# Altium PCB 宠物机器人&导购机器人.PcbDoc (part 4 of 14)
Units mil, origin at the board's own origin, x right, y up, seen from the top; angles counter-clockwise.
Board outline 6899.61 x 2204.72 mil, 2 copper layers (Top Layer, Bottom Layer); 229 components, 218 nets, 23463 pads, 263 vias.
Unrouted connection lines stored in the file: 107.
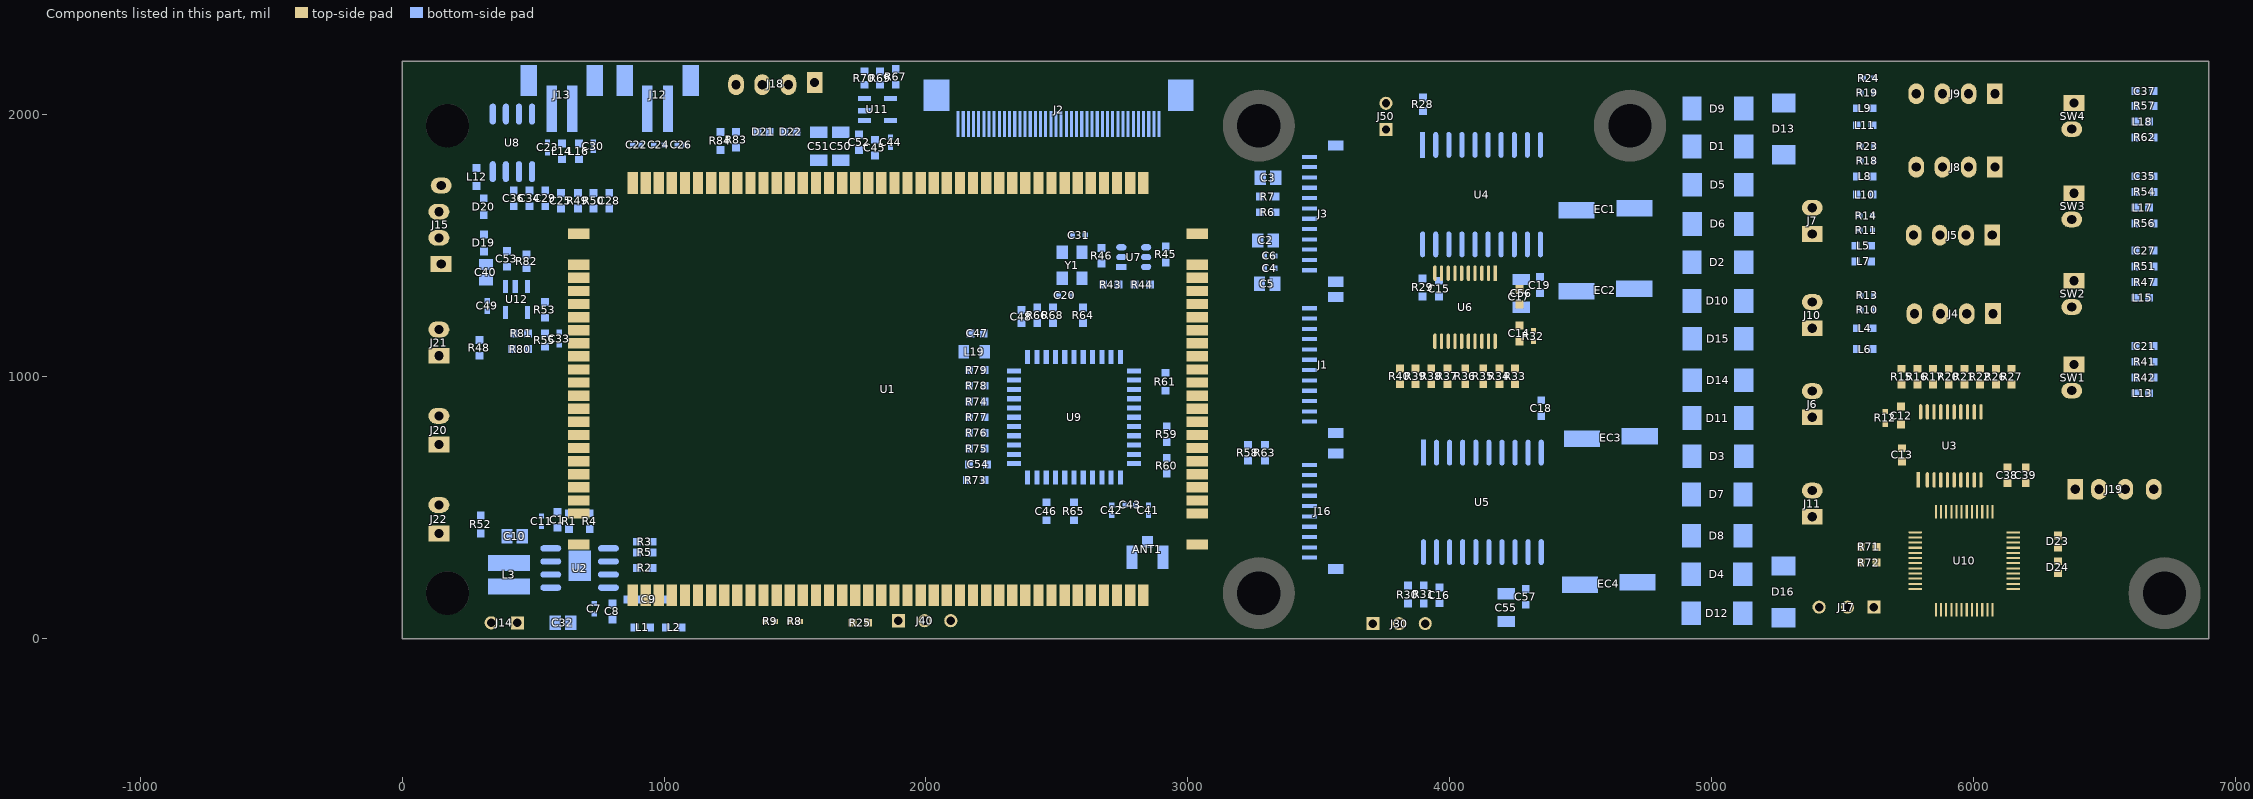
[diagram p4: the components of this part, seen from the top]

## Free pads (board coordinates) (continued)
  round 0.02 on Mech3: 1(-1218.4,-383.24) 1(-1218.4,-383.24) 1(-1218.4,-383.24) 1(-1218.4,-383.15) 1(-1218.4,-383.15) 1(-1218.4,-383.15) 1(-1218.39,-383.7) 1(-1218.39,-383.7) 1(-1218.39,-383.7) 1(-1218.38,-384.88) 1(-1218.38,-384.88) 1(-1218.38,-384.88) 1(-1218.38,-384.83) 1(-1218.38,-384.83) 1(-1218.38,-384.83) 1(-1218.38,-384.83) 1(-1218.38,-384.83) 1(-1218.38,-384.83) 1(-1218.38,-383.74) 1(-1218.38,-383.74) 1(-1218.38,-383.74) 1(-1218.38,-383.74) 1(-1218.38,-383.74) 1(-1218.38,-383.74) 1(-1218.38,-385.02) 1(-1218.38,-385.02) 1(-1218.38,-385.02) 1(-1218.35,-383.64) 1(-1218.35,-383.64) 1(-1218.35,-383.64) 1(-1218.35,-384.1) 1(-1218.35,-384.1) 1(-1218.35,-384.1) 1(-1218.35,-384.1) 1(-1218.35,-384.1) 1(-1218.35,-384.1) 1(-1218.35,-383.75) 1(-1218.35,-383.75) 1(-1218.35,-383.75) 1(-1218.35,-383.75) 1(-1218.35,-383.75) 1(-1218.35,-383.75) 1(-1218.35,-383.34) 1(-1218.35,-383.34) 1(-1218.35,-383.34) 1(-1218.34,-384.69) 1(-1218.34,-384.69) 1(-1218.34,-384.69) 1(-1218.34,-384.52) 1(-1218.34,-384.52) 1(-1218.34,-384.52) 1(-1218.33,-384.17) 1(-1218.33,-384.17) 1(-1218.33,-384.17) 1(-1218.33,-383.18) 1(-1218.33,-383.18) 1(-1218.33,-383.18) 1(-1218.33,-384.39) 1(-1218.33,-384.39) 1(-1218.33,-384.39) 1(-1218.32,-384.45) 1(-1218.32,-384.45) 1(-1218.32,-384.45) 1(-1218.32,-384.13) 1(-1218.32,-384.13) 1(-1218.32,-384.13) 1(-1218.32,-384.13) 1(-1218.32,-384.13) 1(-1218.32,-384.13) 1(-1218.31,-383.85) 1(-1218.31,-383.85) 1(-1218.31,-383.85) 1(-1218.3,-384.69) 1(-1218.3,-384.69) 1(-1218.3,-384.69) 1(-1218.3,-383.97) 1(-1218.3,-383.97) 1(-1218.3,-383.97) 1(-1218.3,-383.54) 1(-1218.3,-383.54) 1(-1218.3,-383.54) 1(-1218.29,-383.44) 1(-1218.29,-383.44) 1(-1218.29,-383.44) 1(-1218.29,-385) 1(-1218.29,-385) 1(-1218.29,-385) 1(-1218.29,-384.09) 1(-1218.29,-384.09) 1(-1218.29,-384.09) 1(-1218.28,-384.87) 1(-1218.28,-384.87) 1(-1218.28,-384.87) 1(-1218.27,-384.29) 1(-1218.27,-384.29) 1(-1218.27,-384.29) 1(-1218.27,-383.73) 1(-1218.27,-383.73) 1(-1218.27,-383.73) 1(-1218.26,-383.57) 1(-1218.26,-383.57) 1(-1218.26,-383.57) 1(-1218.26,-383.41) 1(-1218.26,-383.41) 1(-1218.26,-383.41) 1(-1218.25,-383.18) 1(-1218.25,-383.18) 1(-1218.25,-383.18) 1(-1218.23,-384.74) 1(-1218.23,-384.74) 1(-1218.23,-384.74) 1(-1218.23,-384.65) 1(-1218.23,-384.65) 1(-1218.23,-384.65) 1(-1218.23,-384.57) 1(-1218.23,-384.57) 1(-1218.23,-384.57) 1(-1218.23,-384.36) 1(-1218.23,-384.36) 1(-1218.23,-384.36) 1(-1218.23,-384.36) 1(-1218.23,-384.36) 1(-1218.23,-384.36) 1(-1218.22,-383.59) 1(-1218.22,-383.59) 1(-1218.22,-383.59) 1(-1218.22,-383.59) 1(-1218.22,-383.59) 1(-1218.22,-383.59) 1(-1218.22,-383.28) 1(-1218.22,-383.28) 1(-1218.22,-383.28) 1(-1218.22,-383.28) 1(-1218.22,-383.28) 1(-1218.22,-383.28) 1(-1218.22,-383.76) 1(-1218.22,-383.76) 1(-1218.22,-383.76) 1(-1218.21,-383.67) 1(-1218.21,-383.67) 1(-1218.21,-383.67) 1(-1218.21,-384.94) 1(-1218.21,-384.94) 1(-1218.21,-384.94) 1(-1218.21,-385.06) 1(-1218.21,-385.06) 1(-1218.21,-385.06) 1(-1218.2,-385.21) 1(-1218.2,-385.21) 1(-1218.2,-385.21) 1(-1218.2,-383.12) 1(-1218.2,-383.12) 1(-1218.2,-383.12) 1(-1218.19,-384.13) 1(-1218.19,-384.13) 1(-1218.19,-384.13) 1(-1218.19,-384.13) 1(-1218.19,-384.13) 1(-1218.19,-384.13) 1(-1218.19,-384.45) 1(-1218.19,-384.45) 1(-1218.19,-384.45) 1(-1218.19,-384.28) 1(-1218.19,-384.28) 1(-1218.19,-384.28) 1(-1218.19,-384.4) 1(-1218.19,-384.4) 1(-1218.19,-384.4) 1(-1218.19,-384.33) 1(-1218.19,-384.33) 1(-1218.19,-384.33) 1(-1218.19,-383.41) 1(-1218.19,-383.41) 1(-1218.19,-383.41) 1(-1218.18,-383.58) 1(-1218.18,-383.58) 1(-1218.18,-383.58) 1(-1218.18,-383.58) 1(-1218.18,-383.58) 1(-1218.18,-383.58) 1(-1218.18,-383.56) 1(-1218.18,-383.56) 1(-1218.18,-383.56) 1(-1218.18,-383.56) 1(-1218.18,-383.56) 1(-1218.18,-383.56) 1(-1218.18,-383.92) 1(-1218.18,-383.92) 1(-1218.18,-383.92) 1(-1218.17,-383.22) 1(-1218.17,-383.22) 1(-1218.17,-383.22) 1(-1218.17,-382.99) 1(-1218.17,-382.99) 1(-1218.17,-382.99) 1(-1218.16,-385.13) 1(-1218.16,-385.13) 1(-1218.16,-385.13) 1(-1218.15,-384.21) 1(-1218.15,-384.21) 1(-1218.15,-384.21) 1(-1218.15,-384.21) 1(-1218.15,-384.21) 1(-1218.15,-384.21) 1(-1218.15,-384.17) 1(-1218.15,-384.17) 1(-1218.15,-384.17) 1(-1218.15,-384.17) 1(-1218.15,-384.17) 1(-1218.15,-384.17) 1(-1218.15,-385.05) 1(-1218.15,-385.05) 1(-1218.15,-385.05) 1(-1218.15,-385.05) 1(-1218.15,-385.05) 1(-1218.15,-385.05) 1(-1218.14,-383.71) 1(-1218.14,-383.71) 1(-1218.14,-383.71) 1(-1218.14,-383.71) 1(-1218.14,-383.71) 1(-1218.14,-383.71) 1(-1218.14,-383.37) 1(-1218.14,-383.37) 1(-1218.14,-383.37) 1(-1218.14,-383.37) 1(-1218.14,-383.37) 1(-1218.14,-383.37) 1(-1218.13,-385.01) 1(-1218.13,-385.01) 1(-1218.13,-385.01) 1(-1218.12,-384.2) 1(-1218.12,-384.2) 1(-1218.12,-384.2) 1(-1218.12,-384.58) 1(-1218.12,-384.58) 1(-1218.12,-384.58) 1(-1218.11,-384.82) 1(-1218.11,-384.82) 1(-1218.11,-384.82) 1(-1218.1,-384.71) 1(-1218.1,-384.71) 1(-1218.1,-384.71) 1(-1218.1,-384.46) 1(-1218.1,-384.46) 1(-1218.1,-384.46) 1(-1218.1,-384.41) 1(-1218.1,-384.41) 1(-1218.1,-384.41) 1(-1218.1,-383.46) 1(-1218.1,-383.46) 1(-1218.1,-383.46) 1(-1218.1,-384.26) 1(-1218.1,-384.26) 1(-1218.1,-384.26) 1(-1218.1,-384.26) 1(-1218.1,-384.26) 1(-1218.1,-384.26) 1(-1218.1,-384.15) 1(-1218.1,-384.15) 1(-1218.1,-384.15) 1(-1218.1,-384.15) 1(-1218.1,-384.15) 1(-1218.1,-384.15) 1(-1218.1,-383.89) 1(-1218.1,-383.89) 1(-1218.1,-383.89) 1(-1218.1,-383.89) 1(-1218.1,-383.89) 1(-1218.1,-383.89) 1(-1218.09,-384.31) 1(-1218.09,-384.31) 1(-1218.09,-384.31) 1(-1218.09,-383.76) 1(-1218.09,-383.76) 1(-1218.09,-383.76) 1(-1218.09,-383.83) 1(-1218.09,-383.83) 1(-1218.09,-383.83) 1(-1218.08,-384.93) 1(-1218.08,-384.93) 1(-1218.08,-384.93) 1(-1218.08,-384.5) 1(-1218.08,-384.5) 1(-1218.08,-384.5) 1(-1218.08,-384.65) 1(-1218.08,-384.65) 1(-1218.08,-384.65) 1(-1218.07,-383.35) 1(-1218.07,-383.35) 1(-1218.07,-383.35) 1(-1218.07,-383.86) 1(-1218.07,-383.86) 1(-1218.07,-383.86) 1(-1218.07,-383.86) 1(-1218.07,-383.86) 1(-1218.07,-383.86) 1(-1218.07,-384.71) 1(-1218.07,-384.71) 1(-1218.07,-384.71) 1(-1218.06,-383.65) 1(-1218.06,-383.65) 1(-1218.06,-383.65) 1(-1218.05,-384.74) 1(-1218.05,-384.74) 1(-1218.05,-384.74) 1(-1218.05,-384.74) 1(-1218.05,-384.74) 1(-1218.05,-384.74) 1(-1218.05,-385.02) 1(-1218.05,-385.02) 1(-1218.05,-385.02) 1(-1218.04,-383.27) 1(-1218.04,-383.27) 1(-1218.04,-383.27) 1(-1218.04,-383.27) 1(-1218.04,-383.27) 1(-1218.04,-383.27) 1(-1218.04,-383.27) 1(-1218.04,-383.27) 1(-1218.04,-383.27) 1(-1218.04,-385.12) 1(-1218.04,-385.12) 1(-1218.04,-385.12) 1(-1218.02,-384.84) 1(-1218.02,-384.84) 1(-1218.02,-384.84) 1(-1218.02,-384.71) 1(-1218.02,-384.71) 1(-1218.02,-384.71) 1(-1218.02,-384.71) 1(-1218.02,-384.71) 1(-1218.02,-384.71) 1(-1218.02,-384.66) 1(-1218.02,-384.66) 1(-1218.02,-384.66) 1(-1218.02,-384.66) 1(-1218.02,-384.66) 1(-1218.02,-384.66) 1(-1218.02,-384.61) 1(-1218.02,-384.61) 1(-1218.02,-384.61) 1(-1218.02,-384.36) 1(-1218.02,-384.36) 1(-1218.02,-384.36) 1(-1218.02,-384.26) 1(-1218.02,-384.26) 1(-1218.02,-384.26) 1(-1218.02,-384.21) 1(-1218.02,-384.21) 1(-1218.02,-384.21) 1(-1218.02,-384.16) 1(-1218.02,-384.16) 1(-1218.02,-384.16) 1(-1218.02,-384.11) 1(-1218.02,-384.11) 1(-1218.02,-384.11) 1(-1218.02,-383.91) 1(-1218.02,-383.91) 1(-1218.02,-383.91) 1(-1218.02,-383.86) 1(-1218.02,-383.86) 1(-1218.02,-383.86) 1(-1218.02,-383.86) 1(-1218.02,-383.86) 1(-1218.02,-383.86) 1(-1218.02,-383.76) 1(-1218.02,-383.76) 1(-1218.02,-383.76) 1(-1218.02,-383.71) 1(-1218.02,-383.71) 1(-1218.02,-383.71) 1(-1218.02,-384.11) 1(-1218.02,-384.11) 1(-1218.02,-384.11) 1(-1218.02,-384.11) 1(-1218.02,-384.11) 1(-1218.02,-384.11) 1(-1218.01,-383.72) 1(-1218.01,-383.72) 1(-1218.01,-383.72) 1(-1218.01,-383.72) 1(-1218.01,-383.72) 1(-1218.01,-383.72) 1(-1218,-383.63) 1(-1218,-383.63) 1(-1218,-383.63) 1(-1218,-383.23) 1(-1218,-383.23) 1(-1218,-383.23) 1(-1218,-383.71) 1(-1218,-383.71) 1(-1218,-383.71) 1(-1218,-383.71) 1(-1218,-383.71) 1(-1218,-383.71) 1(-1217.97,-385.21) 1(-1217.97,-385.21) 1(-1217.97,-385.21) 1(-1217.96,-384.06) 1(-1217.96,-384.06) 1(-1217.96,-384.06) 1(-1217.96,-383.91) 1(-1217.96,-383.91) 1(-1217.96,-383.91) 1(-1217.96,-383.91) 1(-1217.96,-383.91) 1(-1217.96,-383.91) 1(-1217.96,-383.86) 1(-1217.96,-383.86) 1(-1217.96,-383.86) 1(-1217.96,-383.86) 1(-1217.96,-383.86) 1(-1217.96,-383.86) 1(-1217.95,-384.11) 1(-1217.95,-384.11) 1(-1217.95,-384.11) 1(-1217.95,-384.11) 1(-1217.95,-384.11) 1(-1217.95,-384.11) 1(-1217.95,-383.97) 1(-1217.95,-383.97) 1(-1217.95,-383.97) 1(-1217.95,-384.68) 1(-1217.95,-384.68) 1(-1217.95,-384.68) 1(-1217.95,-384.5) 1(-1217.95,-384.5) 1(-1217.95,-384.5) 1(-1217.95,-384.56) 1(-1217.95,-384.56) 1(-1217.95,-384.56) 1(-1217.95,-383.76) 1(-1217.95,-383.76) 1(-1217.95,-383.76) 1(-1217.95,-383.76) 1(-1217.95,-383.76) 1(-1217.95,-383.76) 1(-1217.95,-384.41) 1(-1217.95,-384.41) 1(-1217.95,-384.41) 1(-1217.95,-383.81) 1(-1217.95,-383.81) 1(-1217.95,-383.81) 1(-1217.95,-383.71) 1(-1217.95,-383.71) 1(-1217.95,-383.71) 1(-1217.95,-383.71) 1(-1217.95,-383.71) 1(-1217.95,-383.71) 1(-1217.95,-383.71) 1(-1217.95,-383.71) 1(-1217.95,-383.71) 1(-1217.93,-384.2) 1(-1217.93,-384.2) 1(-1217.93,-384.2) 1(-1217.92,-383.63) 1(-1217.92,-383.63) 1(-1217.92,-383.63) 1(-1217.92,-384.84) 1(-1217.92,-384.84) 1(-1217.92,-384.84) 1(-1217.92,-384.41) 1(-1217.92,-384.41) 1(-1217.92,-384.41) 1(-1217.92,-384.94) 1(-1217.92,-384.94) 1(-1217.92,-384.94) 1(-1217.91,-383.81) 1(-1217.91,-383.81) 1(-1217.91,-383.81) 1(-1217.91,-384.49) 1(-1217.91,-384.49) 1(-1217.91,-384.49) 1(-1217.91,-385) 1(-1217.91,-385) 1(-1217.91,-385) 1(-1217.91,-384.58) 1(-1217.91,-384.58) 1(-1217.91,-384.58) 1(-1217.9,-384.82) 1(-1217.9,-384.82) 1(-1217.9,-384.82) 1(-1217.9,-384.71) 1(-1217.9,-384.71) 1(-1217.9,-384.71) 1(-1217.89,-383.23) 1(-1217.89,-383.23) 1(-1217.89,-383.23) 1(-1217.89,-382.96) 1(-1217.89,-382.96) 1(-1217.89,-382.96) 1(-1217.88,-383.99) 1(-1217.88,-383.99) 1(-1217.88,-383.99) 1(-1217.88,-383.68) 1(-1217.88,-383.68) 1(-1217.88,-383.68) 1(-1217.87,-384.52) 1(-1217.87,-384.52) 1(-1217.87,-384.52) 1(-1217.87,-385.08) 1(-1217.87,-385.08) 1(-1217.87,-385.08) 1(-1217.85,-383.81) 1(-1217.85,-383.81) 1(-1217.85,-383.81) 1(-1217.85,-384.67) 1(-1217.85,-384.67) 1(-1217.85,-384.67) 1(-1217.85,-384.31) 1(-1217.85,-384.31) 1(-1217.85,-384.31) 1(-1217.84,-383.76) 1(-1217.84,-383.76) 1(-1217.84,-383.76) 1(-1217.84,-384.42) 1(-1217.84,-384.42) 1(-1217.84,-384.42) 1(-1217.84,-383.63) 1(-1217.84,-383.63) 1(-1217.84,-383.63) 1(-1217.83,-382.97) 1(-1217.83,-382.97) 1(-1217.83,-382.97) 1(-1217.83,-384.07) 1(-1217.83,-384.07) 1(-1217.83,-384.07) 1(-1217.82,-384.01) 1(-1217.82,-384.01) 1(-1217.82,-384.01) 1(-1217.82,-383.75) 1(-1217.82,-383.75) 1(-1217.82,-383.75) 1(-1217.82,-383.22) 1(-1217.82,-383.22) 1(-1217.82,-383.22) 1(-1217.82,-383.87) 1(-1217.82,-383.87) 1(-1217.82,-383.87) 1(-1217.81,-384.31) 1(-1217.81,-384.31) 1(-1217.81,-384.31) 1(-1217.81,-384.85) 1(-1217.81,-384.85) 1(-1217.81,-384.85) 1(-1217.81,-384.19) 1(-1217.81,-384.19) 1(-1217.81,-384.19) 1(-1217.81,-384.14) 1(-1217.81,-384.14) 1(-1217.81,-384.14) 1(-1217.8,-384.47) 1(-1217.8,-384.47) 1(-1217.8,-384.47) 1(-1217.79,-384.68) 1(-1217.79,-384.68) 1(-1217.79,-384.68) 1(-1217.79,-384.58) 1(-1217.79,-384.58) 1(-1217.79,-384.58) 1(-1217.79,-384.41) 1(-1217.79,-384.41) 1(-1217.79,-384.41) 1(-1217.79,-383.67) 1(-1217.79,-383.67) 1(-1217.79,-383.67) 1(-1217.79,-385.08) 1(-1217.79,-385.08) 1(-1217.79,-385.08) 1(-1217.79,-383.86) 1(-1217.79,-383.86) 1(-1217.79,-383.86) 1(-1217.78,-384.13) 1(-1217.78,-384.13) 1(-1217.78,-384.13) 1(-1217.77,-383.71) 1(-1217.77,-383.71) 1(-1217.77,-383.71) 1(-1217.77,-383.71) 1(-1217.77,-383.71) 1(-1217.77,-383.71) 1(-1217.77,-384.69) 1(-1217.77,-384.69) 1(-1217.77,-384.69) 1(-1217.77,-384.03) 1(-1217.77,-384.03) 1(-1217.77,-384.03) 1(-1217.77,-384.62) 1(-1217.77,-384.62) 1(-1217.77,-384.62) 1(-1217.77,-384.32) 1(-1217.77,-384.32) 1(-1217.77,-384.32) 1(-1217.76,-383.34) 1(-1217.76,-383.34) 1(-1217.76,-383.34) 1(-1217.74,-384.83) 1(-1217.74,-384.83) 1(-1217.74,-384.83) 1(-1217.74,-384.83) 1(-1217.74,-384.83) 1(-1217.74,-384.83) 1(-1217.74,-383.74) 1(-1217.74,-383.74) 1(-1217.74,-383.74) 1(-1217.74,-383.74) 1(-1217.74,-383.74) 1(-1217.74,-383.74) 1(-1217.73,-383.27) 1(-1217.73,-383.27) 1(-1217.73,-383.27) 1(-1217.73,-383.27) 1(-1217.73,-383.27) 1(-1217.73,-383.27) 1(-1217.73,-383.47) 1(-1217.73,-383.47) 1(-1217.73,-383.47) 1(-1217.73,-385.21) 1(-1217.73,-385.21) 1(-1217.73,-385.21) 1(-1217.72,-383.72) 1(-1217.72,-383.72) 1(-1217.72,-383.72) 1(-1217.71,-384.91) 1(-1217.71,-384.91) 1(-1217.71,-384.91) 1(-1217.71,-383.34) 1(-1217.71,-383.34) 1(-1217.71,-383.34) 1(-1217.71,-385.08) 1(-1217.71,-385.08) 1(-1217.71,-385.08) 1(-1217.71,-383.2) 1(-1217.71,-383.2) 1(-1217.71,-383.2) 1(-1217.7,-383.55) 1(-1217.7,-383.55) 1(-1217.7,-383.55) 1(-1217.7,-383.85) 1(-1217.7,-383.85) 1(-1217.7,-383.85) 1(-1217.7,-384.7) 1(-1217.7,-384.7) 1(-1217.7,-384.7) 1(-1217.69,-384.08) 1(-1217.69,-384.08) 1(-1217.69,-384.08) 1(-1217.69,-384.61) 1(-1217.69,-384.61) 1(-1217.69,-384.61) 1(-1217.68,-384.46) 1(-1217.68,-384.46) 1(-1217.68,-384.46) 1(-1217.67,-383.82) 1(-1217.67,-383.82) 1(-1217.67,-383.82) 1(-1217.67,-383.61) 1(-1217.67,-383.61) 1(-1217.67,-383.61) 1(-1217.66,-385.1) 1(-1217.66,-385.1) 1(-1217.66,-385.1) 1(-1217.66,-385.1) 1(-1217.66,-385.1) 1(-1217.66,-385.1) 1(-1217.66,-384.91) 1(-1217.66,-384.91) 1(-1217.66,-384.91) 1(-1217.66,-384.91) 1(-1217.66,-384.91) 1(-1217.66,-384.91) 1(-1217.66,-385.1) 1(-1217.66,-385.1) 1(-1217.66,-385.1) 1(-1217.66,-385.1) 1(-1217.66,-385.1) 1(-1217.66,-385.1) 1(-1217.66,-384.63) 1(-1217.66,-384.63) 1(-1217.66,-384.63) 1(-1217.66,-383.29) 1(-1217.66,-383.29) 1(-1217.66,-383.29) 1(-1217.65,-383.89) 1(-1217.65,-383.89) 1(-1217.65,-383.89) 1(-1217.65,-384.84) 1(-1217.65,-384.84) 1(-1217.65,-384.84) 1(-1217.65,-383.12) 1(-1217.65,-383.12) 1(-1217.65,-383.12) 1(-1217.65,-384.53) 1(-1217.65,-384.53) 1(-1217.65,-384.53) 1(-1217.65,-383.99) 1(-1217.65,-383.99) 1(-1217.65,-383.99) 1(-1217.65,-384.32) 1(-1217.65,-384.32) 1(-1217.65,-384.32) 1(-1217.64,-384.78) 1(-1217.64,-384.78) 1(-1217.64,-384.78) 1(-1217.63,-383.17) 1(-1217.63,-383.17) 1(-1217.63,-383.17) 1(-1217.63,-383.17) 1(-1217.63,-383.17) 1(-1217.63,-383.17) 1(-1217.63,-384.73) 1(-1217.63,-384.73) 1(-1217.63,-384.73) 1(-1217.62,-384.68) 1(-1217.62,-384.68) 1(-1217.62,-384.68) 1(-1217.62,-384.8) 1(-1217.62,-384.8) 1(-1217.62,-384.8) 1(-1217.62,-383.85) 1(-1217.62,-383.85) 1(-1217.62,-383.85) 1(-1217.61,-383.29) 1(-1217.61,-383.29) 1(-1217.61,-383.29) 1(-1217.61,-383.35) 1(-1217.61,-383.35) 1(-1217.61,-383.35) 1(-1217.61,-383.62) 1(-1217.61,-383.62) 1(-1217.61,-383.62) 1(-1217.61,-383.51) 1(-1217.61,-383.51) 1(-1217.61,-383.51) 1(-1217.61,-383.47) 1(-1217.61,-383.47) 1(-1217.61,-383.47) 1(-1217.6,-384.89) 1(-1217.6,-384.89) 1(-1217.6,-384.89) 1(-1217.6,-384.18) 1(-1217.6,-384.18) 1(-1217.6,-384.18) 1(-1217.6,-383.12) 1(-1217.6,-383.12) 1(-1217.6,-383.12) 1(-1217.6,-384.76) 1(-1217.6,-384.76) 1(-1217.6,-384.76) 1(-1217.6,-384.22) 1(-1217.6,-384.22) 1(-1217.6,-384.22) 1(-1217.59,-384.7) 1(-1217.59,-384.7) 1(-1217.59,-384.7) 1(-1217.59,-383.73) 1(-1217.59,-383.73) 1(-1217.59,-383.73) 1(-1217.59,-383.82) 1(-1217.59,-383.82) 1(-1217.59,-383.82) 1(-1217.58,-384.43) 1(-1217.58,-384.43) 1(-1217.58,-384.43) 1(-1217.58,-384.52) 1(-1217.58,-384.52) 1(-1217.58,-384.52) 1(-1217.57,-384.17) 1(-1217.57,-384.17) 1(-1217.57,-384.17) 1(-1217.56,-383.8) 1(-1217.56,-383.8) 1(-1217.56,-383.8) 1(-1217.56,-384.46) 1(-1217.56,-384.46) 1(-1217.56,-384.46) 1(-1217.56,-384.35) 1(-1217.56,-384.35) 1(-1217.56,-384.35) 1(-1217.56,-383.11) 1(-1217.56,-383.11) 1(-1217.56,-383.11) 1(-1217.56,-384.08) 1(-1217.56,-384.08) 1(-1217.56,-384.08) 1(-1217.56,-383.99) 1(-1217.56,-383.99) 1(-1217.56,-383.99) 1(-1217.55,-384.27) 1(-1217.55,-384.27) 1(-1217.55,-384.27) 1(-1217.55,-383.93) 1(-1217.55,-383.93) 1(-1217.55,-383.93) 1(-1217.55,-384.78) 1(-1217.55,-384.78) 1(-1217.55,-384.78) 1(-1217.54,-384.59) 1(-1217.54,-384.59) 1(-1217.54,-384.59) 1(-1217.52,-383.49) 1(-1217.52,-383.49) 1(-1217.52,-383.49) 1(-1217.51,-383.22) 1(-1217.51,-383.22) 1(-1217.51,-383.22) 1(-1217.51,-384.8) 1(-1217.51,-384.8) 1(-1217.51,-384.8) 1(-1217.5,-384.7) 1(-1217.5,-384.7) 1(-1217.5,-384.7) 1(-1217.5,-383.3) 1(-1217.5,-383.3) 1(-1217.5,-383.3) 1(-1217.5,-384.03) 1(-1217.5,-384.03) 1(-1217.5,-384.03) 1(-1217.5,-383.9) 1(-1217.5,-383.9) 1(-1217.5,-383.9) 1(-1217.49,-384.89) 1(-1217.49,-384.89) 1(-1217.49,-384.89) 1(-1217.49,-383.07) 1(-1217.49,-383.07) 1(-1217.49,-383.07) 1(-1217.49,-385.21) 1(-1217.49,-385.21) 1(-1217.49,-385.21) 1(-1217.48,-384.25) 1(-1217.48,-384.25) 1(-1217.48,-384.25) 1(-1217.47,-383.3) 1(-1217.47,-383.3) 1(-1217.47,-383.3) 1(-1217.46,-383.49) 1(-1217.46,-383.49) 1(-1217.46,-383.49) 1(-1217.46,-384.81) 1(-1217.46,-384.81) 1(-1217.46,-384.81) 1(-1217.46,-383.32) 1(-1217.46,-383.32) 1(-1217.46,-383.32) 1(-1217.45,-385.13) 1(-1217.45,-385.13) 1(-1217.45,-385.13) 1(-1217.44,-384.08) 1(-1217.44,-384.08) 1(-1217.44,-384.08) 1(-1217.44,-385.05) 1(-1217.44,-385.05) 1(-1217.44,-385.05) 1(-1217.44,-385.05) 1(-1217.44,-385.05) 1(-1217.44,-385.05) 1(-1217.44,-384.74) 1(-1217.44,-384.74) 1(-1217.44,-384.74) 1(-1217.43,-383.98) 1(-1217.43,-383.98) 1(-1217.43,-383.98) 1(-1217.43,-384.34) 1(-1217.43,-384.34) 1(-1217.43,-384.34) 1(-1217.43,-383.47) 1(-1217.43,-383.47) 1(-1217.43,-383.47) 1(-1217.42,-383.32) 1(-1217.42,-383.32) 1(-1217.42,-383.32) 1(-1217.42,-383.85) 1(-1217.42,-383.85) 1(-1217.42,-383.85) 1(-1217.42,-384.64) 1(-1217.42,-384.64) 1(-1217.42,-384.64) 1(-1217.42,-383.07) 1(-1217.42,-383.07) 1(-1217.42,-383.07) 1(-1217.41,-384.28) 1(-1217.41,-384.28) 1(-1217.41,-384.28) 1(-1217.41,-384.23) 1(-1217.41,-384.23) 1(-1217.41,-384.23) 1(-1217.41,-385.03) 1(-1217.41,-385.03) 1(-1217.41,-385.03) 1(-1217.41,-385.03) 1(-1217.41,-385.03) 1(-1217.41,-385.03) 1(-1217.41,-384.98) 1(-1217.41,-384.98) 1(-1217.41,-384.98) 1(-1217.4,-384.46) 1(-1217.4,-384.46) 1(-1217.4,-384.46) 1(-1217.4,-383.52) 1(-1217.4,-383.52) 1(-1217.4,-383.52) 1(-1217.39,-384.16) 1(-1217.39,-384.16) 1(-1217.39,-384.16) 1(-1217.39,-384.33) 1(-1217.39,-384.33) 1(-1217.39,-384.33) 1(-1217.38,-385.13) 1(-1217.38,-385.13) 1(-1217.38,-385.13) 1(-1217.37,-384.51) 1(-1217.37,-384.51) 1(-1217.37,-384.51) 1(-1217.36,-383.51) 1(-1217.36,-383.51) 1(-1217.36,-383.51) 1(-1217.35,-384.89) 1(-1217.35,-384.89) 1(-1217.35,-384.89) 1(-1217.35,-384.78) 1(-1217.35,-384.78) 1(-1217.35,-384.78) 1(-1217.35,-383.47) 1(-1217.35,-383.47) 1(-1217.35,-383.47) 1(-1217.34,-384.27) 1(-1217.34,-384.27) 1(-1217.34,-384.27) 1(-1217.34,-384.1) 1(-1217.34,-384.1) 1(-1217.34,-384.1) 1(-1217.34,-384.08) 1(-1217.34,-384.08) 1(-1217.34,-384.08) 1(-1217.31,-384.84) 1(-1217.31,-384.84) 1(-1217.31,-384.84) 1(-1217.31,-384.75) 1(-1217.31,-384.75) 1(-1217.31,-384.75) 1(-1217.3,-383.29) 1(-1217.3,-383.29) 1(-1217.3,-383.29) 1(-1217.3,-383.08) 1(-1217.3,-383.08) 1(-1217.3,-383.08) 1(-1217.29,-384.42) 1(-1217.29,-384.42) 1(-1217.29,-384.42) 1(-1217.29,-385.14) 1(-1217.29,-385.14) 1(-1217.29,-385.14) 1(-1217.29,-384.78) 1(-1217.29,-384.78) 1(-1217.29,-384.78) 1(-1217.29,-383.34) 1(-1217.29,-383.34) 1(-1217.29,-383.34) 1(-1217.29,-384.2) 1(-1217.29,-384.2) 1(-1217.29,-384.2) 1(-1217.29,-384.12) 1(-1217.29,-384.12) 1(-1217.29,-384.12) 1(-1217.29,-383.81) 1(-1217.29,-383.81) 1(-1217.29,-383.81) 1(-1217.29,-384.29) 1(-1217.29,-384.29) 1(-1217.29,-384.29) 1(-1217.29,-383.96) 1(-1217.29,-383.96) 1(-1217.29,-383.96) 1(-1217.27,-383.3) 1(-1217.27,-383.3) 1(-1217.27,-383.3) 1(-1217.26,-384.9) 1(-1217.26,-384.9) 1(-1217.26,-384.9) 1(-1217.26,-384.6) 1(-1217.26,-384.6) 1(-1217.26,-384.6) 1(-1217.24,-384.71) 1(-1217.24,-384.71) 1(-1217.24,-384.71) 1(-1217.22,-383.74) 1(-1217.22,-383.74) 1(-1217.22,-383.74) 1(-1217.22,-385.22) 1(-1217.22,-385.22) 1(-1217.22,-385.22) 1(-1217.22,-385.14) 1(-1217.22,-385.14) 1(-1217.22,-385.14) 1(-1217.21,-384.92) 1(-1217.21,-384.92) 1(-1217.21,-384.92) 1(-1217.2,-383) 1(-1217.2,-383) 1(-1217.2,-383) 1(-1217.19,-383.34) 1(-1217.19,-383.34) 1(-1217.19,-383.34) 1(-1217.18,-384.7) 1(-1217.18,-384.7) 1(-1217.18,-384.7) 1(-1217.18,-384.39) 1(-1217.18,-384.39) 1(-1217.18,-384.39) 1(-1217.17,-384.48) 1(-1217.17,-384.48) 1(-1217.17,-384.48) 1(-1217.16,-384.78) 1(-1217.16,-384.78) 1(-1217.16,-384.78) 1(-1217.16,-384.58) 1(-1217.16,-384.58) 1(-1217.16,-384.58) 1(-1217.16,-384.74) 1(-1217.16,-384.74) 1(-1217.16,-384.74) 1(-1217.16,-384.37) 1(-1217.16,-384.37) 1(-1217.16,-384.37) 1(-1217.15,-385.05) 1(-1217.15,-385.05) 1(-1217.15,-385.05) 1(-1217.13,-383.34) 1(-1217.13,-383.34) 1(-1217.13,-383.34) 1(-1217.11,-384.42) 1(-1217.11,-384.42) 1(-1217.11,-384.42) 1(-1217.1,-384.51) 1(-1217.1,-384.51) 1(-1217.1,-384.51) 1(-1217.1,-384.56) 1(-1217.1,-384.56) 1(-1217.1,-384.56) 1(-1217.09,-384.3) 1(-1217.09,-384.3) 1(-1217.09,-384.3) 1(-1217.09,-383.73) 1(-1217.09,-383.73) 1(-1217.09,-383.73) 1(-1217.09,-384.86) 1(-1217.09,-384.86) 1(-1217.09,-384.86) 1(-1217.07,-384.64) 1(-1217.07,-384.64) 1(-1217.07,-384.64) 1(-1217.07,-384.57) 1(-1217.07,-384.57) 1(-1217.07,-384.57) 1(-1217.06,-384.69) 1(-1217.06,-384.69) 1(-1217.06,-384.69) 1(-1217.06,-384.37) 1(-1217.06,-384.37) 1(-1217.06,-384.37) 1(-1217.04,-385.1) 1(-1217.04,-385.1) 1(-1217.04,-385.1) 1(-1217.04,-385.1) 1(-1217.04,-385.1) 1(-1217.04,-385.1) 1(-1217.02,-384.81) 1(-1217.02,-384.81) 1(-1217.02,-384.81) 1(-1216.99,-384.59) 1(-1216.99,-384.59) 1(-1216.99,-384.59) 1(-1216.99,-384.72) 1(-1216.99,-384.72) 1(-1216.99,-384.72) 1(-1216.99,-384.65) 1(-1216.99,-384.65) 1(-1216.99,-384.65) 1(-1216.99,-384.89) 1(-1216.99,-384.89) 1(-1216.99,-384.89) 1(-1216.98,-384.37) 1(-1216.98,-384.37) 1(-1216.98,-384.37) 1(-1216.96,-384.64) 1(-1216.96,-384.64) 1(-1216.96,-384.64) 1(-1216.96,-384.79) 1(-1216.96,-384.79) 1(-1216.96,-384.79) 1(-1216.96,-383.74) 1(-1216.96,-383.74) 1(-1216.96,-383.74) 1(-1216.96,-384.74) 1(-1216.96,-384.74) 1(-1216.96,-384.74) 1(-1216.96,-384.59) 1(-1216.96,-384.59) 1(-1216.96,-384.59) 1(-1216.96,-383.7) 1(-1216.96,-383.7) 1(-1216.96,-383.7) 1(-1216.95,-384.44) 1(-1216.95,-384.44) 1(-1216.95,-384.44) 1(-1216.95,-385.19) 1(-1216.95,-385.19) 1(-1216.95,-385.19) 1(-1216.94,-384.57) 1(-1216.94,-384.57) 1(-1216.94,-384.57) 1(-1216.93,-384.84) 1(-1216.93,-384.84) 1(-1216.93,-384.84) 1(-1216.93,-383.05) 1(-1216.93,-383.05) 1(-1216.93,-383.05) 1(-1216.92,-383.6) 1(-1216.92,-383.6) 1(-1216.92,-383.6) 1(-1216.92,-384.69) 1(-1216.92,-384.69) 1(-1216.92,-384.69) 1(-1216.91,-384.78) 1(-1216.91,-384.78) 1(-1216.91,-384.78) 1(-1216.91,-384.54) 1(-1216.91,-384.54) 1(-1216.91,-384.54) 1(-1216.91,-384.59) 1(-1216.91,-384.59) 1(-1216.91,-384.59) 1(-1216.91,-384.73) 1(-1216.91,-384.73) 1(-1216.91,-384.73) 1(-1216.9,-384.3) 1(-1216.9,-384.3) 1(-1216.9,-384.3) 1(-1216.9,-384.82) 1(-1216.9,-384.82) 1(-1216.9,-384.82) 1(-1216.89,-384.37) 1(-1216.89,-384.37) 1(-1216.89,-384.37) 1(-1216.86,-385.02) 1(-1216.86,-385.02) 1(-1216.86,-385.02) 1(-1216.86,-385.02) 1(-1216.86,-385.02) 1(-1216.86,-385.02) 1(-1216.86,-384.98) 1(-1216.86,-384.98) 1(-1216.86,-384.98) 1(-1216.86,-384.47) 1(-1216.86,-384.47) 1(-1216.86,-384.47) 1(-1216.86,-384.97) 1(-1216.86,-384.97) 1(-1216.86,-384.97) 1(-1216.84,-385.04) 1(-1216.84,-385.04) 1(-1216.84,-385.04) 1(-1216.84,-385.04) 1(-1216.84,-385.04) 1(-1216.84,-385.04) 1(-1216.82,-383.7) 1(-1216.82,-383.7) 1(-1216.82,-383.7) 1(-1216.82,-385.18) 1(-1216.82,-385.18) 1(-1216.82,-385.18) 1(-1216.81,-384.66) 1(-1216.81,-384.66) 1(-1216.81,-384.66) 1(-1216.81,-384.42) 1(-1216.81,-384.42) 1(-1216.81,-384.42) 1(-1216.79,-383.6) 1(-1216.79,-383.6) 1(-1216.79,-383.6) 1(-1216.78,-384.78) 1(-1216.78,-384.78) 1(-1216.78,-384.78) 1(-1216.78,-384.59) 1(-1216.78,-384.59) 1(-1216.78,-384.59) 1(-1216.78,-383.73) 1(-1216.78,-383.73) 1(-1216.78,-383.73) 1(-1216.78,-384.68) 1(-1216.78,-384.68) 1(-1216.78,-384.68) 1(-1216.78,-383.01) 1(-1216.78,-383.01) 1(-1216.78,-383.01) 1(-1216.77,-384.37) 1(-1216.77,-384.37) 1(-1216.77,-384.37) 1(-1216.77,-384.3) 1(-1216.77,-384.3) 1(-1216.77,-384.3) 1(-1216.76,-384.63) 1(-1216.76,-384.63) 1(-1216.76,-384.63) 1(-1216.75,-383.11) 1(-1216.75,-383.11) 1(-1216.75,-383.11) 1(-1216.74,-384.79) 1(-1216.74,-384.79) 1(-1216.74,-384.79) 1(-1216.74,-384.68) 1(-1216.74,-384.68) 1(-1216.74,-384.68) 1(-1216.71,-384.6) 1(-1216.71,-384.6) 1(-1216.71,-384.6) 1(-1216.7,-384.57) 1(-1216.7,-384.57) 1(-1216.7,-384.57) 1(-1216.7,-384.51) 1(-1216.7,-384.51) 1(-1216.7,-384.51) 1(-1216.7,-384.3) 1(-1216.7,-384.3) 1(-1216.7,-384.3) 1(-1216.69,-383.74) 1(-1216.69,-383.74) 1(-1216.69,-383.74) 1(-1216.69,-383.69) 1(-1216.69,-383.69) 1(-1216.69,-383.69) 1(-1216.69,-384.79) 1(-1216.69,-384.79) 1(-1216.69,-384.79) 1(-1216.69,-384.68) 1(-1216.69,-384.68) 1(-1216.69,-384.68) 1(-1216.67,-384.48) 1(-1216.67,-384.48) 1(-1216.67,-384.48) 1(-1216.66,-383.46) 1(-1216.66,-383.46) 1(-1216.66,-383.46) 1(-1216.63,-385.19) 1(-1216.63,-385.19) 1(-1216.63,-385.19) 1(-1216.63,-383.48) 1(-1216.63,-383.48) 1(-1216.63,-383.48) 1(-1216.63,-384.43) 1(-1216.63,-384.43) 1(-1216.63,-384.43) 1(-1216.63,-384.55) 1(-1216.63,-384.55) 1(-1216.63,-384.55) 1(-1216.62,-384.76) 1(-1216.62,-384.76) 1(-1216.62,-384.76) 1(-1216.62,-384.69) 1(-1216.62,-384.69) 1(-1216.62,-384.69) 1(-1216.61,-384.79) 1(-1216.61,-384.79) 1(-1216.61,-384.79) 1(-1216.6,-383.88) 1(-1216.6,-383.88) 1(-1216.6,-383.88) 1(-1216.59,-383.92) 1(-1216.59,-383.92) 1(-1216.59,-383.92) 1(-1216.58,-383.81) 1(-1216.58,-383.81) 1(-1216.58,-383.81) 1(-1216.58,-384.22) 1(-1216.58,-384.22) 1(-1216.58,-384.22) 1(-1216.58,-384.18) 1(-1216.58,-384.18) 1(-1216.58,-384.18) 1(-1216.58,-384.69) 1(-1216.58,-384.69) 1(-1216.58,-384.69) 1(-1216.58,-384.69) 1(-1216.58,-384.69) 1(-1216.58,-384.69) 1(-1216.58,-384.57) 1(-1216.58,-384.57) 1(-1216.58,-384.57) 1(-1216.58,-384.57) 1(-1216.58,-384.57) 1(-1216.58,-384.57) 1(-1216.58,-384.57) 1(-1216.58,-384.57) 1(-1216.58,-384.57) 1(-1216.58,-384.41) 1(-1216.58,-384.41) 1(-1216.58,-384.41) 1(-1216.58,-384.41) 1(-1216.58,-384.41) 1(-1216.58,-384.41) 1(-1216.57,-384.76) 1(-1216.57,-384.76) 1(-1216.57,-384.76) 1(-1216.57,-383.89) 1(-1216.57,-383.89) 1(-1216.57,-383.89) 1(-1216.56,-383.76) 1(-1216.56,-383.76) 1(-1216.56,-383.76) 1(-1216.56,-384.07) 1(-1216.56,-384.07) 1(-1216.56,-384.07) 1(-1216.56,-383.86) 1(-1216.56,-383.86) 1(-1216.56,-383.86) 1(-1216.54,-383.1) 1(-1216.54,-383.1) 1(-1216.54,-383.1) 1(-1216.54,-384.25) 1(-1216.54,-384.25) 1(-1216.54,-384.25) 1(-1216.54,-385.22) 1(-1216.54,-385.22) 1(-1216.54,-385.22) 1(-1216.54,-385.19) 1(-1216.54,-385.19) 1(-1216.54,-385.19) 1(-1216.54,-383.01) 1(-1216.54,-383.01) 1(-1216.54,-383.01) 1(-1216.53,-384.45) 1(-1216.53,-384.45) 1(-1216.53,-384.45) 1(-1216.52,-384.52) 1(-1216.52,-384.52) 1(-1216.52,-384.52) 1(-1216.52,-383.67) 1(-1216.52,-383.67) 1(-1216.52,-383.67) 1(-1216.52,-384.12) 1(-1216.52,-384.12) 1(-1216.52,-384.12) 1(-1216.52,-384.4) 1(-1216.52,-384.4) 1(-1216.52,-384.4) 1(-1216.5,-384.34) 1(-1216.5,-384.34) 1(-1216.5,-384.34) 1(-1216.5,-384.34) 1(-1216.5,-384.34) 1(-1216.5,-384.34) 1(-1216.5,-384.34) 1(-1216.5,-384.34) 1(-1216.5,-384.34) 1(-1216.5,-383.69) 1(-1216.5,-383.69) 1(-1216.5,-383.69) 1(-1216.5,-384.04) 1(-1216.5,-384.04) 1(-1216.5,-384.04) 1(-1216.49,-384.25) 1(-1216.49,-384.25) 1(-1216.49,-384.25) 1(-1216.49,-383.87) 1(-1216.49,-383.87) 1(-1216.49,-383.87) 1(-1216.49,-384.31) 1(-1216.49,-384.31) 1(-1216.49,-384.31) 1(-1216.48,-384.73) 1(-1216.48,-384.73) 1(-1216.48,-384.73) 1(-1216.48,-384.37) 1(-1216.48,-384.37) 1(-1216.48,-384.37) 1(-1216.48,-384.8) 1(-1216.48,-384.8) 1(-1216.48,-384.8) 1(-1216.47,-383.34) 1(-1216.47,-383.34) 1(-1216.47,-383.34) 1(-1216.47,-384.89) 1(-1216.47,-384.89) 1(-1216.47,-384.89) 1(-1216.47,-384) 1(-1216.47,-384) 1(-1216.47,-384) 1(-1216.46,-383.71) 1(-1216.46,-383.71) 1(-1216.46,-383.71) 1(-1216.45,-384.27) 1(-1216.45,-384.27) 1(-1216.45,-384.27) 1(-1216.44,-385.21) 1(-1216.44,-385.21) 1(-1216.44,-385.21) 1(-1216.44,-384.02) 1(-1216.44,-384.02) 1(-1216.44,-384.02) 1(-1216.44,-384.36) 1(-1216.44,-384.36) 1(-1216.44,-384.36) 1(-1216.42,-384.14) 1(-1216.42,-384.14) 1(-1216.42,-384.14) 1(-1216.42,-384.06) 1(-1216.42,-384.06) 1(-1216.42,-384.06) 1(-1216.41,-384.89) 1(-1216.41,-384.89) 1(-1216.41,-384.89) 1(-1216.41,-383.64) 1(-1216.41,-383.64) 1(-1216.41,-383.64) 1(-1216.41,-384.77) 1(-1216.41,-384.77) 1(-1216.41,-384.77) 1(-1216.4,-383.86) 1(-1216.4,-383.86) 1(-1216.4,-383.86) 1(-1216.39,-384.02) 1(-1216.39,-384.02) 1(-1216.39,-384.02) 1(-1216.39,-384.39) 1(-1216.39,-384.39) 1(-1216.39,-384.39) 1(-1216.39,-383.98) 1(-1216.39,-383.98) 1(-1216.39,-383.98) 1(-1216.36,-384.13) 1(-1216.36,-384.13) 1(-1216.36,-384.13) 1(-1216.36,-383.64) 1(-1216.36,-383.64) 1(-1216.36,-383.64) 1(-1216.35,-384.31) 1(-1216.35,-384.31) 1(-1216.35,-384.31) 1(-1216.35,-384.27) 1(-1216.35,-384.27) 1(-1216.35,-384.27) 1(-1216.33,-385.04) 1(-1216.33,-385.04) 1(-1216.33,-385.04) 1(-1216.33,-385.04) 1(-1216.33,-385.04) 1(-1216.33,-385.04) 1(-1216.33,-384.06) 1(-1216.33,-384.06) 1(-1216.33,-384.06) 1(-1216.32,-384.13) 1(-1216.32,-384.13) 1(-1216.32,-384.13) 1(-1216.31,-385.02) 1(-1216.31,-385.02) 1(-1216.31,-385.02) 1(-1216.31,-385.02) 1(-1216.31,-385.02) 1(-1216.31,-385.02) 1(-1216.31,-384.98) 1(-1216.31,-384.98) 1(-1216.31,-384.98) 1(-1216.31,-383.66) 1(-1216.31,-383.66) 1(-1216.31,-383.66) 1(-1216.31,-384.92) 1(-1216.31,-384.92) 1(-1216.31,-384.92) 1(-1216.31,-384) 1(-1216.31,-384) 1(-1216.31,-384) 1(-1216.3,-383.88) 1(-1216.3,-383.88) 1(-1216.3,-383.88) 1(-1216.28,-384.27) 1(-1216.28,-384.27) 1(-1216.28,-384.27) 1(-1216.28,-383.34) 1(-1216.28,-383.34) 1(-1216.28,-383.34) 1(-1216.28,-384.4) 1(-1216.28,-384.4) 1(-1216.28,-384.4) 1(-1216.27,-384.91) 1(-1216.27,-384.91) 1(-1216.27,-384.91) 1(-1216.26,-383.74) 1(-1216.26,-383.74) 1(-1216.26,-383.74) 1(-1216.26,-385.1) 1(-1216.26,-385.1) 1(-1216.26,-385.1) 1(-1216.26,-383.64) 1(-1216.26,-383.64) 1(-1216.26,-383.64) 1(-1216.26,-384.36) 1(-1216.26,-384.36) 1(-1216.26,-384.36) 1(-1216.26,-384.34) 1(-1216.26,-384.34) 1(-1216.26,-384.34) 1(-1216.26,-384.34) 1(-1216.26,-384.34) 1(-1216.26,-384.34) 1(-1216.25,-384.54) 1(-1216.25,-384.54) 1(-1216.25,-384.54) 1(-1216.24,-383.88) 1(-1216.24,-383.88) 1(-1216.24,-383.88) 1(-1216.23,-384.06) 1(-1216.23,-384.06) 1(-1216.23,-384.06) 1(-1216.23,-383.3) 1(-1216.23,-383.3) 1(-1216.23,-383.3) 1(-1216.22,-384.36) 1(-1216.22,-384.36) 1(-1216.22,-384.36) 1(-1216.22,-384) 1(-1216.22,-384) 1(-1216.22,-384) 1(-1216.21,-384.57) 1(-1216.21,-384.57) 1(-1216.21,-384.57) 1(-1216.21,-384.82) 1(-1216.21,-384.82) 1(-1216.21,-384.82) 1(-1216.21,-384.74) 1(-1216.21,-384.74) 1(-1216.21,-384.74) 1(-1216.21,-384.69) 1(-1216.21,-384.69) 1(-1216.21,-384.69) 1(-1216.21,-384.52) 1(-1216.21,-384.52) 1(-1216.21,-384.52) 1(-1216.21,-384.2) 1(-1216.21,-384.2) 1(-1216.21,-384.2) 1(-1216.2,-384.63) 1(-1216.2,-384.63) 1(-1216.2,-384.63) 1(-1216.2,-385.11) 1(-1216.2,-385.11) 1(-1216.2,-385.11) 1(-1216.2,-384.12) 1(-1216.2,-384.12) 1(-1216.2,-384.12) 1(-1216.19,-383.29) 1(-1216.19,-383.29) 1(-1216.19,-383.29) 1(-1216.19,-384.27) 1(-1216.19,-384.27) 1(-1216.19,-384.27) 1(-1216.19,-384.27) 1(-1216.19,-384.27) 1(-1216.19,-384.27) 1(-1216.17,-385.09) 1(-1216.17,-385.09) 1(-1216.17,-385.09) 1(-1216.17,-383.86) 1(-1216.17,-383.86) 1(-1216.17,-383.86) 1(-1216.16,-384.37) 1(-1216.16,-384.37) 1(-1216.16,-384.37) 1(-1216.15,-384.11) 1(-1216.15,-384.11) 1(-1216.15,-384.11) 1(-1216.15,-383.65) 1(-1216.15,-383.65) 1(-1216.15,-383.65) 1(-1216.15,-383.01) 1(-1216.15,-383.01) 1(-1216.15,-383.01) 1(-1216.15,-384.47) 1(-1216.15,-384.47) 1(-1216.15,-384.47) 1(-1216.15,-384.05) 1(-1216.15,-384.05) 1(-1216.15,-384.05) 1(-1216.14,-384.2) 1(-1216.14,-384.2) 1(-1216.14,-384.2) 1(-1216.13,-383.92) 1(-1216.13,-383.92) 1(-1216.13,-383.92) 1(-1216.12,-384.82) 1(-1216.12,-384.82) 1(-1216.12,-384.82) 1(-1216.12,-384.74) 1(-1216.12,-384.74) 1(-1216.12,-384.74) 1(-1216.12,-384.68) 1(-1216.12,-384.68) 1(-1216.12,-384.68) 1(-1216.12,-384.61) 1(-1216.12,-384.61) 1(-1216.12,-384.61) 1(-1216.12,-384.53) 1(-1216.12,-384.53) 1(-1216.12,-384.53) 1(-1216.11,-385.13) 1(-1216.11,-385.13) 1(-1216.11,-385.13) 1(-1216.1,-383.98) 1(-1216.1,-383.98) 1(-1216.1,-383.98) 1(-1216.09,-383.29) 1(-1216.09,-383.29) 1(-1216.09,-383.29) 1(-1216.09,-384.31) 1(-1216.09,-384.31) 1(-1216.09,-384.31) 1(-1216.09,-384.27) 1(-1216.09,-384.27) 1(-1216.09,-384.27) 1(-1216.09,-384.27) 1(-1216.09,-384.27) 1(-1216.09,-384.27) 1(-1216.09,-384.27) 1(-1216.09,-384.27) 1(-1216.09,-384.27) 1(-1216.08,-383.11) 1(-1216.08,-383.11) 1(-1216.08,-383.11) 1(-1216.07,-384.09) 1(-1216.07,-384.09) 1(-1216.07,-384.09) 1(-1216.07,-384.36) 1(-1216.07,-384.36) 1(-1216.07,-384.36) 1(-1216.06,-383.74) 1(-1216.06,-383.74) 1(-1216.06,-383.74) 1(-1216.06,-385.09) 1(-1216.06,-385.09) 1(-1216.06,-385.09) 1(-1216.06,-385.13) 1(-1216.06,-385.13) 1(-1216.06,-385.13) 1(-1216.02,-384.53) 1(-1216.02,-384.53) 1(-1216.02,-384.53) 1(-1216.02,-385.07) 1(-1216.02,-385.07) 1(-1216.02,-385.07) 1(-1216.02,-384.47) 1(-1216.02,-384.47) 1(-1216.02,-384.47) 1(-1216.02,-384.67) 1(-1216.02,-384.67) 1(-1216.02,-384.67) 1(-1216.02,-384.74) 1(-1216.02,-384.74) 1(-1216.02,-384.74) 1(-1216.01,-384.6) 1(-1216.01,-384.6) 1(-1216.01,-384.6) 1(-1216.01,-384.82) 1(-1216.01,-384.82) 1(-1216.01,-384.82) 1(-1216.01,-383.81) 1(-1216.01,-383.81) 1(-1216.01,-383.81) 1(-1216,-384.07) 1(-1216,-384.07) 1(-1216,-384.07) 1(-1216,-385.04) 1(-1216,-385.04) 1(-1216,-385.04) 1(-1216,-382.98) 1(-1216,-382.98) 1(-1216,-382.98) 1(-1215.98,-383.3) 1(-1215.98,-383.3) 1(-1215.98,-383.3) 1(-1215.97,-385.07) 1(-1215.97,-385.07) 1(-1215.97,-385.07) 1(-1215.97,-383.27) 1(-1215.97,-383.27) 1(-1215.97,-383.27) 1(-1215.96,-383.32) 1(-1215.96,-383.32) 1(-1215.96,-383.32) 1(-1215.96,-385.13) 1(-1215.96,-385.13) 1(-1215.96,-385.13) 1(-1215.95,-383.21) 1(-1215.95,-383.21) 1(-1215.95,-383.21) 1(-1215.95,-383.02) 1(-1215.95,-383.02) 1(-1215.95,-383.02) 1(-1215.94,-383.24) 1(-1215.94,-383.24) 1(-1215.94,-383.24) 1(-1215.94,-383.34) 1(-1215.94,-383.34) 1(-1215.94,-383.34) 1(-1215.94,-384.15) 1(-1215.94,-384.15) 1(-1215.94,-384.15) 1(-1215.94,-383.92) 1(-1215.94,-383.92) 1(-1215.94,-383.92) 1(-1215.93,-383.17) 1(-1215.93,-383.17) 1(-1215.93,-383.17) 1(-1215.93,-383.17) 1(-1215.93,-383.17) 1(-1215.93,-383.17) 1(-1215.92,-384.07) 1(-1215.92,-384.07) 1(-1215.92,-384.07) 1(-1215.92,-384.83) 1(-1215.92,-384.83) 1(-1215.92,-384.83) 1(-1215.92,-384.79) 1(-1215.92,-384.79) 1(-1215.92,-384.79) 1(-1215.92,-384.54) 1(-1215.92,-384.54) 1(-1215.92,-384.54) 1(-1215.92,-384.48) 1(-1215.92,-384.48) 1(-1215.92,-384.48) 1(-1215.92,-384.61) 1(-1215.92,-384.61) 1(-1215.92,-384.61) 1(-1215.92,-384.68) 1(-1215.92,-384.68) 1(-1215.92,-384.68) 1(-1215.92,-384.37) 1(-1215.92,-384.37) 1(-1215.92,-384.37) 1(-1215.92,-384.27) 1(-1215.92,-384.27) 1(-1215.92,-384.27) 1(-1215.92,-384.27) 1(-1215.92,-384.27) 1(-1215.92,-384.27) 1(-1215.91,-384.74) 1(-1215.91,-384.74) 1(-1215.91,-384.74) 1(-1215.91,-383.89) 1(-1215.91,-383.89) 1(-1215.91,-383.89) 1(-1215.89,-383.14) 1(-1215.89,-383.14) 1(-1215.89,-383.14) 1(-1215.89,-384.22) 1(-1215.89,-384.22) 1(-1215.89,-384.22) 1(-1215.89,-384.55) 1(-1215.89,-384.55) 1(-1215.89,-384.55) 1(-1215.88,-383.11) 1(-1215.88,-383.11) 1(-1215.88,-383.11) 1(-1215.88,-384.33) 1(-1215.88,-384.33) 1(-1215.88,-384.33) 1(-1215.88,-384.33) 1(-1215.88,-384.33) 1(-1215.88,-384.33) 1(-1215.88,-384.3) 1(-1215.88,-384.3) 1(-1215.88,-384.3) 1(-1215.88,-384.3) 1(-1215.88,-384.3) 1(-1215.88,-384.3) 1(-1215.88,-383.22) 1(-1215.88,-383.22) 1(-1215.88,-383.22) 1(-1215.88,-383.22) 1(-1215.88,-383.22) 1(-1215.88,-383.22) 1(-1215.87,-384.06) 1(-1215.87,-384.06) 1(-1215.87,-384.06) 1(-1215.86,-383.47) 1(-1215.86,-383.47) 1(-1215.86,-383.47) 1(-1215.86,-384.89) 1(-1215.86,-384.89) 1(-1215.86,-384.89) 1(-1215.85,-384.44) 1(-1215.85,-384.44) 1(-1215.85,-384.44) 1(-1215.84,-385.12) 1(-1215.84,-385.12) 1(-1215.84,-385.12) 1(-1215.83,-384.3) 1(-1215.83,-384.3) 1(-1215.83,-384.3) 1(-1215.82,-385.07) 1(-1215.82,-385.07) 1(-1215.82,-385.07) 1(-1215.82,-384.86) 1(-1215.82,-384.86) 1(-1215.82,-384.86) 1(-1215.82,-384.96) 1(-1215.82,-384.96) 1(-1215.82,-384.96) 1(-1215.79,-384.26) 1(-1215.79,-384.26) 1(-1215.79,-384.26) 1(-1215.79,-384.43) 1(-1215.79,-384.43) 1(-1215.79,-384.43) 1(-1215.79,-384.72) 1(-1215.79,-384.72) 1(-1215.79,-384.72) 1(-1215.78,-383.4) 1(-1215.78,-383.4) 1(-1215.78,-383.4) 1(-1215.78,-383.2) 1(-1215.78,-383.2) 1(-1215.78,-383.2) 1(-1215.77,-384.31) 1(-1215.77,-384.31) 1(-1215.77,-384.31) 1(-1215.77,-384.21) 1(-1215.77,-384.21) 1(-1215.77,-384.21) 1(-1215.77,-384.86) 1(-1215.77,-384.86) 1(-1215.77,-384.86) 1(-1215.76,-384.57) 1(-1215.76,-384.57) 1(-1215.76,-384.57) 1(-1215.75,-384.16) 1(-1215.75,-384.16) 1(-1215.75,-384.16) 1(-1215.75,-384.36) 1(-1215.75,-384.36) 1(-1215.75,-384.36) 1(-1215.75,-384.84) 1(-1215.75,-384.84) 1(-1215.75,-384.84) 1(-1215.74,-383.91) 1(-1215.74,-383.91) 1(-1215.74,-383.91) 1(-1215.73,-384.12) 1(-1215.73,-384.12) 1(-1215.73,-384.12) 1(-1215.73,-384.07) 1(-1215.73,-384.07) 1(-1215.73,-384.07) 1(-1215.73,-384.71) 1(-1215.73,-384.71) 1(-1215.73,-384.71) 1(-1215.72,-383.11) 1(-1215.72,-383.11) 1(-1215.72,-383.11) 1(-1215.72,-385.19) 1(-1215.72,-385.19) 1(-1215.72,-385.19) 1(-1215.72,-384.38) 1(-1215.72,-384.38) 1(-1215.72,-384.38) 1(-1215.71,-383.67) 1(-1215.71,-383.67) 1(-1215.71,-383.67) 1(-1215.71,-383.96) 1(-1215.71,-383.96) 1(-1215.71,-383.96) 1(-1215.71,-383.76) 1(-1215.71,-383.76) 1(-1215.71,-383.76) 1(-1215.7,-383.29) 1(-1215.7,-383.29) 1(-1215.7,-383.29) 1(-1215.69,-385.08) 1(-1215.69,-385.08) 1(-1215.69,-385.08) 1(-1215.69,-384.96) 1(-1215.69,-384.96) 1(-1215.69,-384.96) 1(-1215.66,-383.6) 1(-1215.66,-383.6) 1(-1215.66,-383.6) 1(-1215.66,-383.56) 1(-1215.66,-383.56) 1(-1215.66,-383.56) 1(-1215.66,-383.56) 1(-1215.66,-383.56) 1(-1215.66,-383.56) 1(-1215.66,-383.22) 1(-1215.66,-383.22) 1(-1215.66,-383.22) 1(-1215.66,-383.22) 1(-1215.66,-383.22) 1(-1215.66,-383.22) 1(-1215.66,-383.02) 1(-1215.66,-383.02) 1(-1215.66,-383.02) 1(-1215.65,-383.48) 1(-1215.65,-383.48) 1(-1215.65,-383.48) 1(-1215.65,-383.22) 1(-1215.65,-383.22) 1(-1215.65,-383.22) 1(-1215.65,-383.22) 1(-1215.65,-383.22) 1(-1215.65,-383.22) 1(-1215.65,-383.63) 1(-1215.65,-383.63) 1(-1215.65,-383.63) 1(-1215.65,-384.75) 1(-1215.65,-384.75) 1(-1215.65,-384.75) 1(-1215.64,-384.82) 1(-1215.64,-384.82) 1(-1215.64,-384.82) 1(-1215.64,-382.96) 1(-1215.64,-382.96) 1(-1215.64,-382.96) 1(-1215.63,-385.1) 1(-1215.63,-385.1) 1(-1215.63,-385.1) 1(-1215.61,-383) 1(-1215.61,-383) 1(-1215.61,-383) 1(-1215.6,-383.23) 1(-1215.6,-383.23) 1(-1215.6,-383.23) 1(-1215.6,-384.23) 1(-1215.6,-384.23) 1(-1215.6,-384.23) 1(-1215.6,-384.56) 1(-1215.6,-384.56) 1(-1215.6,-384.56) 1(-1215.6,-384.15) 1(-1215.6,-384.15) 1(-1215.6,-384.15) 1(-1215.59,-385.21) 1(-1215.59,-385.21) 1(-1215.59,-385.21) 1(-1215.59,-384.01) 1(-1215.59,-384.01) 1(-1215.59,-384.01) 1(-1215.59,-384.79) 1(-1215.59,-384.79) 1(-1215.59,-384.79) 1(-1215.59,-384.06) 1(-1215.59,-384.06) 1(-1215.59,-384.06) 1(-1215.59,-383.79) 1(-1215.59,-383.79) 1(-1215.59,-383.79) 1(-1215.59,-383.4) 1(-1215.59,-383.4) 1(-1215.59,-383.4) 1(-1215.59,-383.68) 1(-1215.59,-383.68) 1(-1215.59,-383.68) 1(-1215.58,-383.15) 1(-1215.58,-383.15) 1(-1215.58,-383.15) 1(-1215.58,-384.63) 1(-1215.58,-384.63) 1(-1215.58,-384.63) 1(-1215.58,-383.47) 1(-1215.58,-383.47) 1(-1215.58,-383.47) 1(-1215.57,-384.51) 1(-1215.57,-384.51) 1(-1215.57,-384.51) 1(-1215.57,-383.99) 1(-1215.57,-383.99) 1(-1215.57,-383.99) 1(-1215.57,-383.88) 1(-1215.57,-383.88) 1(-1215.57,-383.88) 1(-1215.56,-383.23) 1(-1215.56,-383.23) 1(-1215.56,-383.23) 1(-1215.56,-383.82) 1(-1215.56,-383.82) 1(-1215.56,-383.82) 1(-1215.55,-384.46) 1(-1215.55,-384.46) 1(-1215.55,-384.46) 1(-1215.55,-385.01) 1(-1215.55,-385.01) 1(-1215.55,-385.01) 1(-1215.53,-383.26) 1(-1215.53,-383.26) 1(-1215.53,-383.26) 1(-1215.53,-384.41) 1(-1215.53,-384.41) 1(-1215.53,-384.41) 1(-1215.51,-383.17) 1(-1215.51,-383.17) 1(-1215.51,-383.17) 1(-1215.5,-383.76) 1(-1215.5,-383.76) 1(-1215.5,-383.76) 1(-1215.49,-384.77) 1(-1215.49,-384.77) 1(-1215.49,-384.77) 1(-1215.49,-384.26) 1(-1215.49,-384.26) 1(-1215.49,-384.26) 1(-1215.49,-383.27) 1(-1215.49,-383.27) 1(-1215.49,-383.27) 1(-1215.45,-383.33) 1(-1215.45,-383.33) 1(-1215.45,-383.33) 1(-1215.45,-383.51) 1(-1215.45,-383.51) 1(-1215.45,-383.51) 1(-1215.45,-383.4) 1(-1215.45,-383.4) 1(-1215.45,-383.4) 1(-1215.45,-383.6) 1(-1215.45,-383.6) 1(-1215.45,-383.6) 1(-1215.43,-385.21) 1(-1215.43,-385.21) 1(-1215.43,-385.21) 1(-1215.42,-385.04) 1(-1215.42,-385.04) 1(-1215.42,-385.04) 1(-1215.42,-383.75) 1(-1215.42,-383.75) 1(-1215.42,-383.75) 1(-1215.42,-382.97) 1(-1215.42,-382.97) 1(-1215.42,-382.97) 1(-1215.42,-383.91) 1(-1215.42,-383.91) 1(-1215.42,-383.91) 1(-1215.42,-384.24) 1(-1215.42,-384.24) 1(-1215.42,-384.24) 1(-1215.42,-384.07) 1(-1215.42,-384.07) 1(-1215.42,-384.07) 1(-1215.42,-383.14) 1(-1215.42,-383.14) 1(-1215.42,-383.14) 1(-1215.42,-384.57) 1(-1215.42,-384.57) 1(-1215.42,-384.57) 1(-1215.42,-384.78) 1(-1215.42,-384.78) 1(-1215.42,-384.78) 1(-1215.41,-384.38) 1(-1215.41,-384.38) 1(-1215.41,-384.38)